# Altium PCB DIO_MCX_Isolated.PCBDOC (part 1 of 5) (continued)
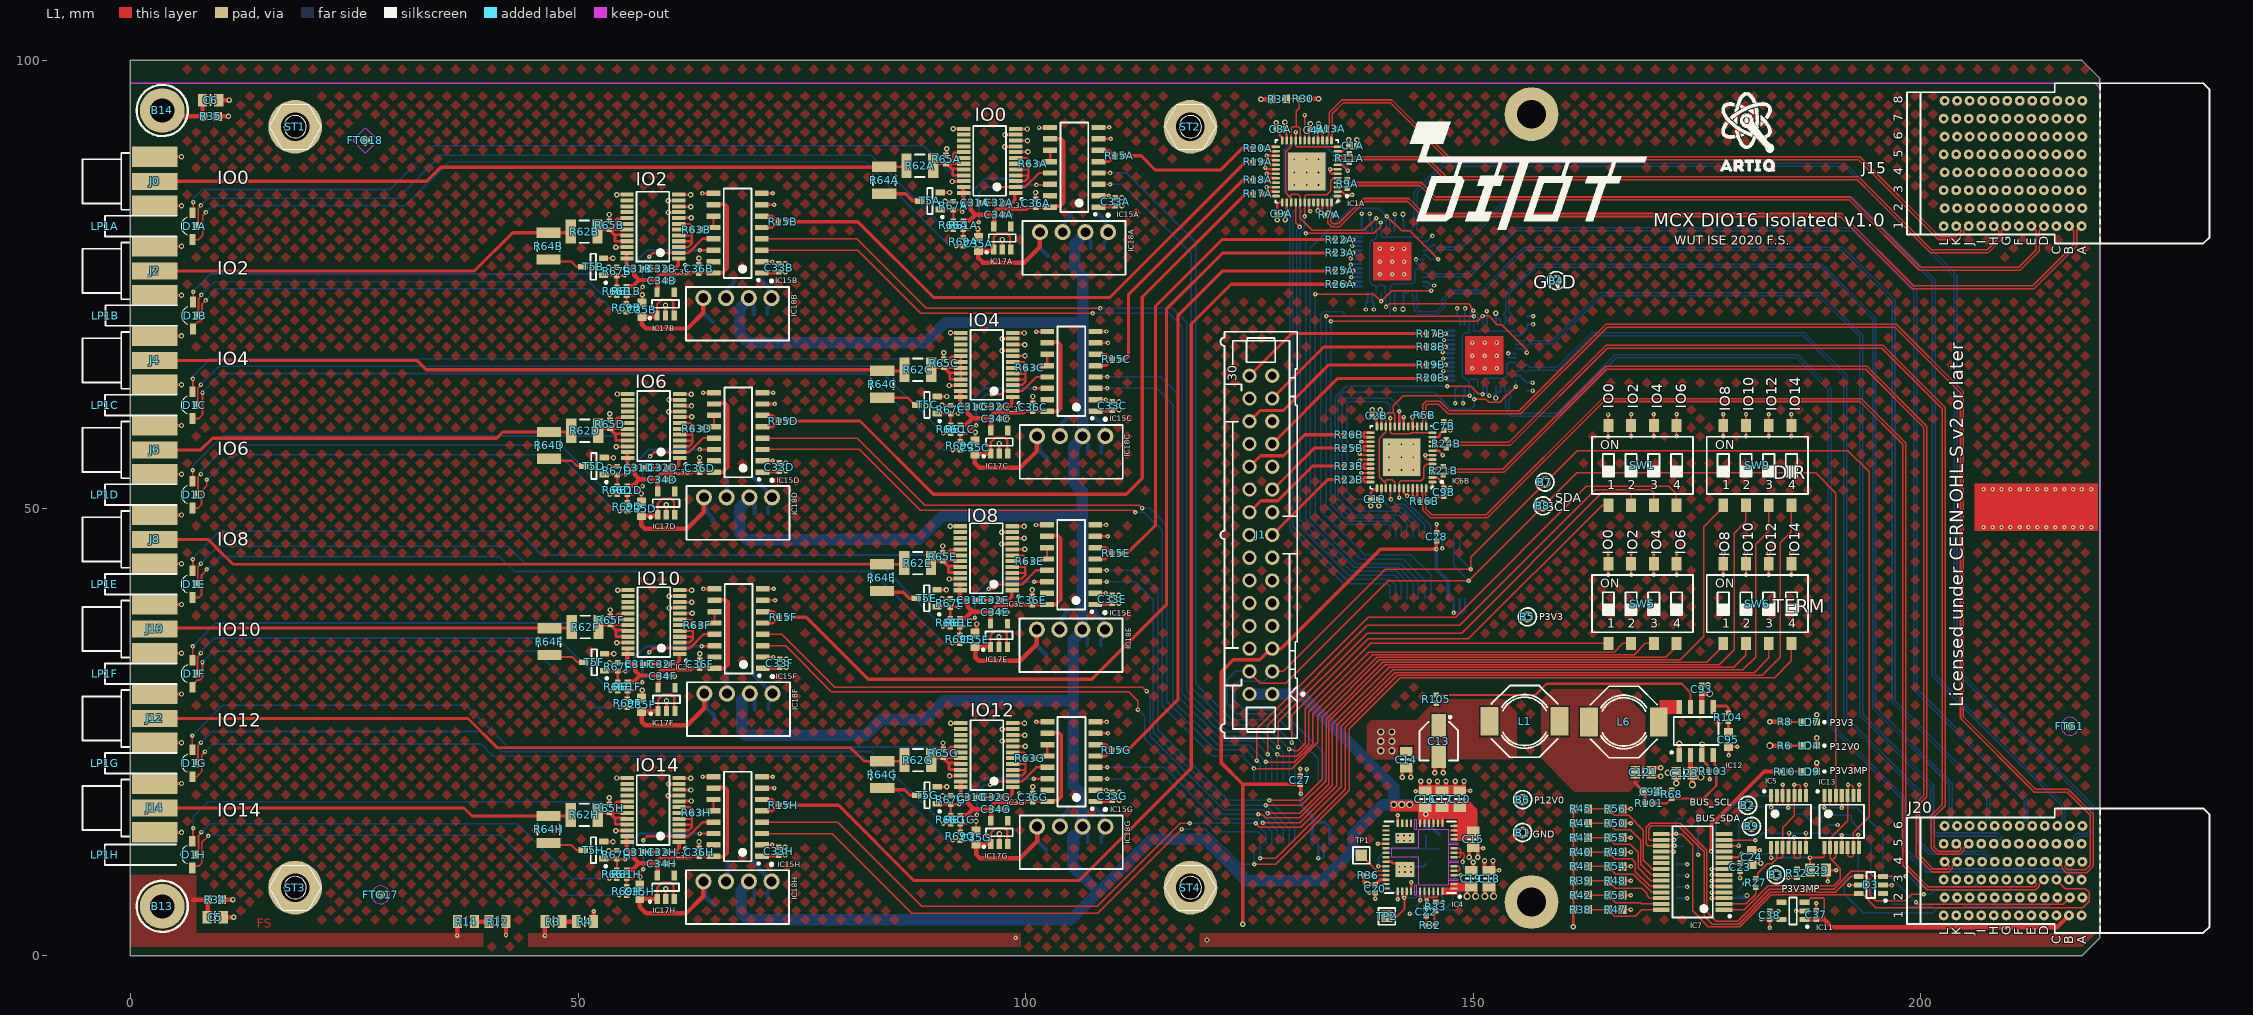
[diagram p0: L1 view]
## Classes and differential pairs (continued)
differential pair LVDS1B: +LVDS1B_P -LVDS1B_N
differential pair LVDS1A: +LVDS1A_P -LVDS1A_N

## Components (designator, comment, footprint, x,y, rotation, side; value= is the part's Value field where it differs from the comment)
B1 "Plated Hole" c130h60 155.518,13.76 r90 top
B2 "Plated Hole" c130h60 180.65,16.798 r180 top
B3 "Plated Hole" c130h60 183.825,9.049 r180 top
B4 "Plated Hole" c130h60 159.275,75.411 r180 top
B5 "Plated Hole" c130h60 156.05,37.85 r180 top
B6 "Plated Hole" c130h60 155.518,17.435 r0 top
B7 "Plated Hole" c130h60 158,52.9 r180 top
B8 "Plated Hole" c130h60 157.775,50.25 r180 top
B9 "Plated Hole" c130h60 181.075,14.45 r180 top
B13 "Plated Hole" MTG270_500 3.556,5.512 r180 top locked
B14 "Plated Hole" MTG270_500 3.556,94.412 r180 top locked
C1A "100nF" CAPC1005X55N 136.55,90.45 r180 top (schematic designator C1)
C1B "100nF" CAPC1005X55N 138.992,50.968 r180 top (schematic designator C1)
C2A "100nF" CAPC1005X55N 138,82.211 r180 bottom (schematic designator C2)
C2B "100nF" CAPC1005X55N 139.161,60.293 r180 top (schematic designator C2)
C3A "100nF" CAPC1005X55N 141.7,72.875 r0 bottom (schematic designator C3)
C3B "100nF" CAPC1005X55N 148.632,71.618 r180 bottom (schematic designator C3)
C4A "100nF" CAPC1005X55N 132.256,92.23 r0 top (schematic designator C4)
C4B "100nF" CAPC1005X55N 155.992,70.968 r270 bottom (schematic designator C4)
C5 "Undefined" CAPC2012X135N 9.45,4.3 r0 top
C6 "Undefined" CAPC2012X135N 8.951,95.575 r0 top
C7A "100nF" CAPC1005X55N 138.45,72.864 r180 bottom (schematic designator C7)
C7B "100nF" CAPC1005X55N 146.711,59.168 r270 top (schematic designator C7)
C8A "100nF" CAPC1005X55N 128.456,92.342 r180 top (schematic designator C8)
C8B "100nF" CAPC1005X55N 155.932,63.573 r90 bottom (schematic designator C8)
C9A "100nF" CAPC1005X55N 128.556,82.9 r180 top (schematic designator C9)
C9B "100nF" CAPC1005X55N 146.711,51.768 r90 top (schematic designator C9)
C10 "10uF" CAPC2012X135N 148.504,17.495 r270 top
C11A "100nF" CAPC1005X55N 141.7,82.15 r0 bottom (schematic designator C11)
C11B "100nF" CAPC1005X55N 148.407,62.4 r180 bottom (schematic designator C11)
C12 "100nF" CAPC1005X55N 179.675,6.95 r270 bottom
C13 "10uF" CAPAE430X540N 146.15,23.965 r270 top
C14 "22uF" CAPC2012X135N 142.5,21.915 r90 top
C15 "10uF" CAPC2012X135N 149.979,12.995 r90 top
C16 "10uF" CAPC2012X135N 144.633,17.495 r270 top
C17 "10uF" CAPC2012X135N 146.504,17.495 r270 top
C18 "10uF" CAPC2012X135N 151.754,8.62 r270 top
C19 "10uF" CAPC2012X135N 149.754,8.62 r270 top
C20 "100nF" CAPC1005X55N 139.054,7.495 r90 top
C21 "1nF" CAPC1608X87N 146.179,12.745 r90 bottom
C22 "100nF" CAPC1005X55N 144.758,4.9 r90 top
C23 "100nF" CAPC1005X55N 179.8,9.907 r90 top
C24 "22uF" CAPC1709X100N 181.1,10.982 r270 top
C25 "15pF" CAPC1005X55N 143.655,5.095 r90 bottom
C26A "100pF" CAPC3216X180N 103.975,78.175 r0 bottom (schematic designator C26)
C26B "100pF" CAPC3216X180N 66.525,70.786 r0 bottom (schematic designator C26)
C26C "100pF" CAPC3216X180N 103.9,55.226 r0 bottom (schematic designator C26)
C26D "100pF" CAPC3216X180N 66.57,48.504 r0 bottom (schematic designator C26)
C26E "100pF" CAPC3216X180N 103.775,33.625 r0 bottom (schematic designator C26)
C26F "100pF" CAPC3216X180N 66.71,26.49 r0 bottom (schematic designator C26)
C26G "100pF" CAPC3216X180N 103.793,11.848 r0 bottom (schematic designator C26)
C26H "100pF" CAPC3216X180N 66.713,5.639 r0 bottom (schematic designator C26)
C27 "100nF" CAPC1005X55N 130.675,19.6 r270 top
C28 "100nF" CAPC1005X55N 145.9,46.8 r270 top
C29 "1uF" CAPC2012X140N 188.499,9.55 r180 top
C30A "10uF" CAPC1608X80N 108.005,78.991 r180 bottom (schematic designator C30)
C30B "10uF" CAPC1608X80N 70.4,71.634 r180 bottom (schematic designator C30)
C30C "10uF" CAPC1608X80N 107.685,56.201 r180 bottom (schematic designator C30)
C30D "10uF" CAPC1608X80N 70.47,49.377 r180 bottom (schematic designator C30)
C30E "10uF" CAPC1608X80N 107.65,34.6 r180 bottom (schematic designator C30)
C30F "10uF" CAPC1608X80N 70.51,27.458 r180 bottom (schematic designator C30)
C30G "10uF" CAPC1608X80N 107.693,12.598 r180 bottom (schematic designator C30)
C30H "10uF" CAPC1608X80N 70.413,6.472 r180 bottom (schematic designator C30)
C31A "100nF" CAPC1005X55N 94.3,84.1 r180 top (schematic designator C31)
C31B "100nF" CAPC1005X55N 56.695,76.743 r180 top (schematic designator C31)
C31C "100nF" CAPC1005X55N 93.98,61.311 r180 top (schematic designator C31)
C31D "100nF" CAPC1005X55N 56.765,54.486 r180 top (schematic designator C31)
C31E "100nF" CAPC1005X55N 93.945,39.709 r180 top (schematic designator C31)
C31F "100nF" CAPC1005X55N 56.805,32.567 r180 top (schematic designator C31)
C31G "100nF" CAPC1005X55N 93.988,17.708 r180 top (schematic designator C31)
C31H "100nF" CAPC1005X55N 56.708,11.582 r180 top (schematic designator C31)
C32A "100nF" CAPC1005X55N 96.979,84.1 r0 top (schematic designator C32)
C32B "100nF" CAPC1005X55N 59.374,76.743 r0 top (schematic designator C32)
C32C "100nF" CAPC1005X55N 96.659,61.311 r0 top (schematic designator C32)
C32D "100nF" CAPC1005X55N 59.444,54.486 r0 top (schematic designator C32)
C32E "100nF" CAPC1005X55N 96.624,39.709 r0 top (schematic designator C32)
C32F "100nF" CAPC1005X55N 59.484,32.567 r0 top (schematic designator C32)
C32G "100nF" CAPC1005X55N 96.667,17.708 r0 top (schematic designator C32)
C32H "100nF" CAPC1005X55N 59.387,11.582 r0 top (schematic designator C32)
C33A "100nF" CAPC1005X55N 110,84.197 r270 top (schematic designator C33)
C33B "100nF" CAPC1005X55N 72.395,76.841 r270 top (schematic designator C33)
C33C "100nF" CAPC1005X55N 109.68,61.408 r270 top (schematic designator C33)
C33D "100nF" CAPC1005X55N 72.465,54.584 r270 top (schematic designator C33)
C33E "100nF" CAPC1005X55N 109.645,39.807 r270 top (schematic designator C33)
C33F "100nF" CAPC1005X55N 72.505,32.664 r270 top (schematic designator C33)
C33G "100nF" CAPC1005X55N 109.688,17.805 r270 top (schematic designator C33)
C33H "100nF" CAPC1005X55N 72.408,11.679 r270 top (schematic designator C33)
C34A "1uF" CAPC1005X55N 96.994,82.767 r180 top (schematic designator C34)
C34B "1uF" CAPC1005X55N 59.339,75.411 r180 top (schematic designator C34)
C34C "1uF" CAPC1005X55N 96.674,59.978 r180 top (schematic designator C34)
C34D "1uF" CAPC1005X55N 59.409,53.154 r180 top (schematic designator C34)
C34E "1uF" CAPC1005X55N 96.589,38.377 r180 top (schematic designator C34)
C34F "1uF" CAPC1005X55N 59.449,31.234 r180 top (schematic designator C34)
C34G "1uF" CAPC1005X55N 96.657,16.375 r180 top (schematic designator C34)
C34H "1uF" CAPC1005X55N 59.352,10.249 r180 top (schematic designator C34)
C35A "10uF" CAPC1608X80N 94.725,79.5 r270 top (schematic designator C35)
C35B "10uF" CAPC1608X80N 57.123,72.136 r270 top (schematic designator C35)
C35C "10uF" CAPC1608X80N 94.326,56.766 r270 top (schematic designator C35)
C35D "10uF" CAPC1608X80N 57.07,49.905 r270 top (schematic designator C35)
C35E "10uF" CAPC1608X80N 94.35,35.285 r270 top (schematic designator C35)
C35F "10uF" CAPC1608X80N 57.103,28.04 r270 top (schematic designator C35)
C35G "10uF" CAPC1608X80N 94.453,13.198 r270 top (schematic designator C35)
C35H "10uF" CAPC1608X80N 56.89,7.124 r270 top (schematic designator C35)
C36A "100nF" CAPC1005X55N 101.105,84.067 r270 top (schematic designator C36)
C36B "100nF" CAPC1005X55N 63.5,76.711 r270 top (schematic designator C36)
C36C "100nF" CAPC1005X55N 100.785,61.278 r270 top (schematic designator C36)
C36D "100nF" CAPC1005X55N 63.57,54.454 r270 top (schematic designator C36)
C36E "100nF" CAPC1005X55N 100.75,39.677 r270 top (schematic designator C36)
C36F "100nF" CAPC1005X55N 63.61,32.534 r270 top (schematic designator C36)
C36G "100nF" CAPC1005X55N 100.793,17.675 r270 top (schematic designator C36)
C36H "100nF" CAPC1005X55N 63.513,11.549 r270 top (schematic designator C36)
C37 "1uF" CAPC1005X55N 188.308,4.55 r270 top
C38 "1uF" CAPC1005X55N 183.108,4.5 r270 top
C39A "100pF" CAPC3216X180N 106.55,82.943 r0 bottom (schematic designator C39)
C39B "100pF" CAPC3216X180N 68.945,75.586 r0 bottom (schematic designator C39)
C39C "100pF" CAPC3216X180N 106.23,60.153 r0 bottom (schematic designator C39)
C39D "100pF" CAPC3216X180N 68.12,53.404 r0 bottom (schematic designator C39)
C39E "100pF" CAPC3216X180N 106.325,38.525 r0 bottom (schematic designator C39)
C39F "100pF" CAPC3216X180N 68.135,31.534 r0 bottom (schematic designator C39)
C39G "100pF" CAPC3216X180N 106.238,16.55 r0 bottom (schematic designator C39)
C39H "100pF" CAPC3216X180N 68.238,10.474 r0 bottom (schematic designator C39)
C93 "100nF" CAPC1005X55N 175.535,29.75 r270 top
C94 "150pF" CAPC1608X87N 169.8,18.325 r180 top
C95 "3.9nF" CAPC1608X87N 178.5,24.135 r90 top
C121 "22uF" CAPC2012X135N 168.975,20.475 r180 top
C123 "22uF" CAPC2012X135N 173.55,20.37 r0 top
D1A "Red & Green, 120deg" WL-SBSW_1204 6.411,81.5 r90 top locked (schematic designator D1)
D1B "Red & Green, 120deg" WL-SBSW_1204 6.467,71.508 r90 top locked (schematic designator D1)
D1C "Red & Green, 120deg" WL-SBSW_1204 6.411,61.5 r90 top locked (schematic designator D1)
D1D "Red & Green, 120deg" WL-SBSW_1204 6.411,51.5 r90 top locked (schematic designator D1)
D1E "Red & Green, 120deg" WL-SBSW_1204 6.411,41.5 r90 top locked (schematic designator D1)
D1F "Red & Green, 120deg" WL-SBSW_1204 6.411,31.5 r90 top locked (schematic designator D1)
D1G "Red & Green, 120deg" WL-SBSW_1204 6.411,21.5 r90 top locked (schematic designator D1)
D1H "Red & Green, 120deg" WL-SBSW_1204 6.386,11.286 r90 top (schematic designator D1)
D2 "PESD3V3S4UD" SOT95P280X110-6N 194.386,7.878 r180 bottom
D3 "PESD3V3S4UD" SOT95P280X110-6N 194.4,7.9 r180 top
FTG1 "Use only in PCB" FIDUCIAL_TOP_C100-200 216.65,25.624 r90 top
FTG2 "Use only in PCB" FIDUCIAL_TOP_C100-200 216.65,25.624 r90 bottom
FTG17 "Use only in PCB" FIDUCIAL_TOP_C100-200 27.95,6.8 r270 top
FTG18 "Use only in PCB" FIDUCIAL_TOP_S100-200 26.25,91.061 r270 top
FTG19 "Use only in PCB" FIDUCIAL_TOP_S100-200 27.95,6.8 r90 bottom
FTG20 "Use only in PCB" FIDUCIAL_TOP_S100-200 26.25,91.061 r270 bottom
IC1A "SN65MLVD040RGZT" QFN50P700X700X100-49N-S420 131.406,87.6 r180 top (schematic designator IC1)
IC1B "SN65MLVD040RGZT" QFN50P700X700X100-49N-S420 151.282,67.023 r180 bottom (schematic designator IC1)
IC2 "24AA025E48-I/SN" SOIC127P600X175-8N 175.405,8.32 r0 bottom
IC3A "SN74LVC8T245PW" SOP65P640X120-24N 95.97,88.786 r180 top (schematic designator IC3)
IC3B "SN74LVC8T245PW" SOP65P640X120-24N 58.365,81.429 r180 top (schematic designator IC3)
IC3C "SN74LVC8T245PW" SOP65P640X120-24N 95.65,65.997 r180 top (schematic designator IC3)
IC3D "SN74LVC8T245PW" SOP65P640X120-24N 58.435,59.172 r180 top (schematic designator IC3)
IC3E "SN74LVC8T245PW" SOP65P640X120-24N 95.615,44.396 r180 top (schematic designator IC3)
IC3F "SN74LVC8T245PW" SOP65P640X120-24N 58.475,37.253 r180 top (schematic designator IC3)
IC3G "SN74LVC8T245PW" SOP65P640X120-24N 95.658,22.394 r180 top (schematic designator IC3)
IC3H "SN74LVC8T245PW" SOP65P640X120-24N 58.378,16.268 r180 top (schematic designator IC3)
IC4 "MIC45116-1YMP" MICROCHIP_H3QFN88-52LD-PL-3 144.054,10.995 r180 top
IC5 "74HC4066PW" SOP65P640X110-14N 185.205,15 r270 top
IC6A "SN65MLVD040RGZT" QFN50P700X700X100-49N-S420 140.95,77.525 r180 bottom (schematic designator IC6)
IC6B "SN65MLVD040RGZT" QFN50P700X700X100-49N-S420 141.986,55.668 r180 top (schematic designator IC6)
IC7 "MCP23017-E/SS" SOP65P780X200-28N 174.5,9.357 r180 top
IC8 "MCP23017-E/SS" SOP65P780X200-28N 144.9,43.325 r270 bottom
IC10 "MCP23017-E/SS" SOP65P780X200-28N 129.75,15.975 r270 bottom
IC11 "AP2112K-3.3TRG1" SOT95P285X140-5N 185.708,5 r180 top
IC12 "NCP3170ADR2G" SOIC127P600X175-8N 174.9,25.1 r90 top
IC13 "74HC4066PW" SOP65P640X110-14N 191.155,15 r270 top
IC15A "SI8651BB-B-IS1" SOIC127P600X175-16N 105.43,88.067 r180 top (schematic designator IC15)
IC15B "SI8651BB-B-IS1" SOIC127P600X175-16N 67.825,80.711 r180 top (schematic designator IC15)
IC15C "SI8651BB-B-IS1" SOIC127P600X175-16N 105.11,65.278 r180 top (schematic designator IC15)
IC15D "SI8651BB-B-IS1" SOIC127P600X175-16N 67.895,58.454 r180 top (schematic designator IC15)
IC15E "SI8651BB-B-IS1" SOIC127P600X175-16N 105.075,43.677 r180 top (schematic designator IC15)
IC15F "SI8651BB-B-IS1" SOIC127P600X175-16N 67.935,36.534 r180 top (schematic designator IC15)
IC15G "SI8651BB-B-IS1" SOIC127P600X175-16N 105.118,21.675 r180 top (schematic designator IC15)
IC15H "SI8651BB-B-IS1" SOIC127P600X175-16N 67.838,15.549 r180 top (schematic designator IC15)
IC17A "AP2112K-3.3TRG1" SOT95P285X140-5N 97.379,80.167 r90 top (schematic designator IC17)
IC17B "AP2112K-3.3TRG1" SOT95P285X140-5N 59.774,72.811 r90 top (schematic designator IC17)
IC17C "AP2112K-3.3TRG1" SOT95P285X140-5N 97.059,57.378 r90 top (schematic designator IC17)
IC17D "AP2112K-3.3TRG1" SOT95P285X140-5N 59.844,50.554 r90 top (schematic designator IC17)
IC17E "AP2112K-3.3TRG1" SOT95P285X140-5N 97.024,35.777 r90 top (schematic designator IC17)
IC17F "AP2112K-3.3TRG1" SOT95P285X140-5N 59.884,28.634 r90 top (schematic designator IC17)
IC17G "AP2112K-3.3TRG1" SOT95P285X140-5N 97.067,13.775 r90 top (schematic designator IC17)
IC17H "AP2112K-3.3TRG1" SOT95P285X140-5N 59.787,7.649 r90 top (schematic designator IC17)
IC18A "RFM-0505S" DCDC_RECOM_RFM 105.405,80.817 r180 top (schematic designator IC18)
IC18B "RFM-0505S" DCDC_RECOM_RFM 67.8,73.461 r180 top (schematic designator IC18)
IC18C "RFM-0505S" DCDC_RECOM_RFM 105.085,58.028 r180 top (schematic designator IC18)
IC18D "RFM-0505S" DCDC_RECOM_RFM 67.87,51.204 r180 top (schematic designator IC18)
IC18E "RFM-0505S" DCDC_RECOM_RFM 105.05,36.427 r180 top (schematic designator IC18)
IC18F "RFM-0505S" DCDC_RECOM_RFM 67.91,29.284 r180 top (schematic designator IC18)
IC18G "RFM-0505S" DCDC_RECOM_RFM 105.093,14.425 r180 top (schematic designator IC18)
IC18H "RFM-0505S" DCDC_RECOM_RFM 67.813,8.299 r180 top (schematic designator IC18)
J0 "MCX" BEL_133-3701-801 0,86.5 r0 top locked
J1 "=Familly" 3M_N2530-6002RB 126.27,47 r90 top
J2 "MCX" BEL_133-3701-801 0,76.5 r0 top locked
J4 "MCX" BEL_133-3701-801 0,66.5 r0 top locked
J6 "MCX" BEL_133-3701-801 0,56.5 r0 top locked
J8 "MCX" BEL_133-3701-801 0,46.5 r0 top locked
J10 "MCX" BEL_133-3701-801 0,36.5 r0 top locked
J12 "MCX" BEL_133-3701-801 0,26.5 r0 top locked
J14 "MCX" BEL_133-3701-801 0,16.5 r0 top locked
J15 "AirMax VS" AMPHENOL_10052838-101LF 210.289,88.5 r90 top locked
J20 "AirMax VS" AMPHENOL_10052825-101LF 210.289,9.5 r90 top locked
L1 "4.7uH" IND_BOURNS_SRU8043 155.725,26.175 r180 top
L6 "4.7uH" IND_BOURNS_SRU8043 166.813,26.109 r180 top
LD4 "Green" LED_KINGBRIGHT_KPH-1608CGCK 187.525,23.462 r180 top
LD7 "Green" LED_KINGBRIGHT_KPH-1608CGCK 187.525,26.097 r180 top
LD9 "Green" LED_KINGBRIGHT_KPH-1608CGCK 187.525,20.575 r180 top
LP1A "Color" FIX&FASTEN-LEMB2-8V0-F -2.85,81.5 r0 top (schematic designator LP1)
LP1B "Color" FIX&FASTEN-LEMB2-8V0-F -2.794,71.508 r0 top (schematic designator LP1)
LP1C "Color" FIX&FASTEN-LEMB2-8V0-F -2.85,61.5 r0 top (schematic designator LP1)
LP1D "Color" FIX&FASTEN-LEMB2-8V0-F -2.85,51.5 r0 top (schematic designator LP1)
LP1E "Color" FIX&FASTEN-LEMB2-8V0-F -2.85,41.5 r0 top (schematic designator LP1)
LP1F "Color" FIX&FASTEN-LEMB2-8V0-F -2.85,31.5 r0 top (schematic designator LP1)
LP1G "Color" FIX&FASTEN-LEMB2-8V0-F -2.85,21.5 r0 top (schematic designator LP1)
LP1H "Color" FIX&FASTEN-LEMB2-8V0-F -2.875,11.286 r0 top (schematic designator LP1)
R1 "6k8" RESC1005X40N 144.705,13.895 r90 bottom
R2 "1k3" RESC1608X55N 144.705,11.024 r90 bottom
R3 "4M7" RESC2113X55N 47.25,3.798 r0 top
R4 "4M7" RESC2113X55N 50.75,3.798 r0 top
R5A "100" RESC1005X40N 143.556,72.864 r180 bottom (schematic designator R5)
R5B "100" RESC1005X40N 144.526,60.368 r180 top (schematic designator R5)
R6 "10k" RESC1005X40N 184.8,23.462 r180 top
R7A "100" RESC1005X40N 133.912,82.767 r0 top (schematic designator R7)
R7B "100" RESC1005X40N 153.8,71.618 r0 bottom (schematic designator R7)
R8 "1k" RESC1005X40N 184.806,26.122 r0 top
R9A "100" RESC1005X40N 135.9,86.2 r90 top (schematic designator R9)
R9B "100" RESC1005X40N 156.007,68.518 r270 bottom (schematic designator R9)
R10 "1k" RESC1005X40N 184.8,20.575 r0 top
R11A "100" RESC1005X40N 136.156,89.1 r90 top (schematic designator R11)
R11B "100" RESC1005X40N 155.932,65.568 r270 bottom (schematic designator R11)
R12 "4M7" RESC2113X55N 41,3.798 r180 top
R13A "100" RESC1005X40N 134.077,92.35 r180 top (schematic designator R13)
R13B "100" RESC1005X40N 153.792,62.4 r180 bottom (schematic designator R13)
R14 "4M7" RESC2113X55N 37.5,3.798 r180 top
R15A "33" RESC1005X40N 110.43,89.35 r0 top (schematic designator R15)
R15B "33" RESC1005X40N 72.855,81.981 r0 top (schematic designator R15)
R15C "33" RESC1005X40N 110.14,66.6 r0 top (schematic designator R15)
R15D "33" RESC1005X40N 72.9,59.724 r0 top (schematic designator R15)
R15E "33" RESC1005X40N 110.1,44.947 r0 top (schematic designator R15)
R15F "33" RESC1005X40N 72.925,37.8 r0 top (schematic designator R15)
R15G "33" RESC1005X40N 110.1,22.946 r0 top (schematic designator R15)
R15H "33" RESC1005X40N 72.9,16.8 r0 top (schematic designator R15)
R16A "100" RESC1005X40N 143.556,82.2 r0 bottom (schematic designator R16)
R16B "100" RESC1005X40N 144.526,50.788 r0 top (schematic designator R16)
R17A "33" RESC1005X40N 125.9,85.1 r0 top (schematic designator R17)
R17B "33" RESC1005X40N 145.25,69.494 r0 top (schematic designator R17)
R18A "33" RESC1005X40N 125.9,86.67 r0 top (schematic designator R18)
R18B "33" RESC1005X40N 145.25,68.048 r0 top (schematic designator R18)
R19A "33" RESC1005X40N 125.9,88.702 r0 top (schematic designator R19)
R19B "33" RESC1005X40N 145.25,65.994 r0 top (schematic designator R19)
R20A "33" RESC1005X40N 125.9,90.2 r0 top (schematic designator R20)
R20B "33" RESC1005X40N 145.25,64.551 r0 top (schematic designator R20)
R21A "100" RESC1005X40N 145.575,79 r270 bottom (schematic designator R21)
R21B "100" RESC1005X40N 146.636,54.168 r90 top (schematic designator R21)
R22A "33" RESC1005X40N 135.059,79.996 r0 top (schematic designator R22)
R22B "33" RESC1005X40N 136.075,53.175 r0 top (schematic designator R22)
R23A "33" RESC1005X40N 135.059,78.496 r0 top (schematic designator R23)
R23B "33" RESC1005X40N 136.075,54.7 r0 top (schematic designator R23)
R24A "100" RESC1005X40N 145.575,76 r270 bottom (schematic designator R24)
R24B "100" RESC1005X40N 146.992,57.168 r90 top (schematic designator R24)
R25A "33" RESC1005X40N 135.059,76.505 r0 top (schematic designator R25)
R25B "33" RESC1005X40N 136.075,56.7 r0 top (schematic designator R25)
R26A "33" RESC1005X40N 135.059,75 r0 top (schematic designator R26)
R26B "33" RESC1005X40N 136.075,58.197 r0 top (schematic designator R26)
R27 "0" RESC1005X40N 181.525,8.125 r90 top
R28 "22" RESC1005X40N 196.3,5.775 r0 bottom
R30 "10k" RESC1005X40N 131.019,95.725 r0 top
R31 "0" RESC1608X55N 128.275,95.675 r180 top
R32 "10k" RESC1005X40N 145.2,3.4 r180 top
R33 "10k" RESC1005X40N 145.793,5.495 r270 top
R34 "0" RESC1608X55N 9.45,6.268 r180 top
R35 "0" RESC1608X55N 8.951,93.755 r180 top
R36 "1k6" RESC1005X40N 138.255,8.97 r180 top
R37 "1k6" RESC1005X40N 144.758,5.095 r90 bottom
R38 "2k" RESC1608X55N 162,5.15 r180 top
R39 "2k" RESC1608X55N 162,8.364 r180 top
R40 "2k" RESC1608X55N 162,11.579 r180 top
R41 "2k" RESC1608X55N 162,14.793 r180 top
R42 "2k" RESC1608X55N 162,6.757 r180 top
R43 "2k" RESC1608X55N 162,9.971 r180 top
R44 "2k" RESC1608X55N 162,13.186 r180 top
R45 "2k" RESC1608X55N 162,16.4 r180 top
R46 "2k" RESC1608X55N 192.2,16.525 r270 bottom
R47 "2k" RESC1608X55N 165.849,5.15 r180 top
R48 "2k" RESC1608X55N 165.849,8.364 r180 top
R49 "2k" RESC1608X55N 165.849,11.579 r180 top
R50 "2k" RESC1608X55N 165.849,14.793 r180 top
R51 "220" RESC1608X55N 188.9,14.6 r180 bottom
R52 "0" RESC1005X40N 186.155,9.195 r90 top
R53 "2k" RESC1608X55N 165.849,6.757 r180 top
R54 "2k" RESC1608X55N 165.849,9.971 r180 top
R55 "2k" RESC1608X55N 165.849,13.186 r180 top
R56 "2k" RESC1608X55N 165.849,16.4 r180 top
R57 "2k" RESC1608X55N 174.3,12.205 r0 bottom
R58 "2k" RESC1608X55N 174.3,15.314 r0 bottom
R59 "2k" RESC1608X55N 174.3,13.755 r0 bottom
R60 "2k" RESC1608X55N 186.133,16.6 r270 bottom
R61A "10k" RESC1005X40N 93.015,81.6 r90 top (schematic designator R61)
R61B "10k" RESC1005X40N 55.41,74.243 r90 top (schematic designator R61)
R61C "10k" RESC1005X40N 92.695,58.811 r90 top (schematic designator R61)
R61D "10k" RESC1005X40N 55.48,51.986 r90 top (schematic designator R61)
R61E "10k" RESC1005X40N 92.66,37.209 r90 top (schematic designator R61)
R61F "10k" RESC1005X40N 55.52,30.067 r90 top (schematic designator R61)
R61G "10k" RESC1005X40N 92.703,15.208 r90 top (schematic designator R61)
R61H "10k" RESC1005X40N 55.423,9.082 r90 top (schematic designator R61)
R62A "30R" RESC3225X70N 88.18,88.245 r0 top (schematic designator R62)
R62B "30R" RESC3225X70N 50.675,80.888 r0 top (schematic designator R62)
R62C "30R" RESC3225X70N 87.96,65.455 r0 top (schematic designator R62)
R62D "30R" RESC3225X70N 50.745,58.631 r0 top (schematic designator R62)
R62E "30R" RESC3225X70N 87.925,43.854 r0 top (schematic designator R62)
R62F "30R" RESC3225X70N 50.785,36.711 r0 top (schematic designator R62)
R62G "30R" RESC3225X70N 87.968,21.852 r0 top (schematic designator R62)
R62H "30R" RESC3225X70N 50.688,15.726 r0 top (schematic designator R62)
R63A "22" RESC1005X40N 100.785,88.472 r0 top (schematic designator R63)
R63B "22" RESC1005X40N 63.18,81.116 r0 top (schematic designator R63)
R63C "22" RESC1005X40N 100.464,65.683 r0 top (schematic designator R63)
R63D "22" RESC1005X40N 63.25,58.859 r0 top (schematic designator R63)
R63E "22" RESC1005X40N 100.43,44.082 r0 top (schematic designator R63)
R63F "22" RESC1005X40N 63.29,36.939 r0 top (schematic designator R63)
R63G "22" RESC1005X40N 100.473,22.08 r0 top (schematic designator R63)
R63H "22" RESC1005X40N 63.193,15.954 r0 top (schematic designator R63)
R64A "49R9" RESC3225X70N 84.199,86.618 r90 top (schematic designator R64)
R64B "49R9" RESC3225X70N 46.694,79.261 r90 top (schematic designator R64)
R64C "49R9" RESC3225X70N 83.979,63.829 r90 top (schematic designator R64)
R64D "49R9" RESC3225X70N 46.764,57.004 r90 top (schematic designator R64)
R64E "49R9" RESC3225X70N 83.944,42.228 r90 top (schematic designator R64)
R64F "49R9" RESC3225X70N 46.804,35.085 r90 top (schematic designator R64)
R64G "49R9" RESC3225X70N 83.987,20.226 r90 top (schematic designator R64)
R64H "49R9" RESC3225X70N 46.707,14.1 r90 top (schematic designator R64)
R65A "10k" RESC1005X40N 91.1,88.942 r270 top (schematic designator R65)
R65B "10k" RESC1005X40N 53.495,81.586 r270 top (schematic designator R65)
R65C "10k" RESC1005X40N 90.855,66.178 r270 top (schematic designator R65)
R65D "10k" RESC1005X40N 53.565,59.379 r270 top (schematic designator R65)
R65E "10k" RESC1005X40N 90.72,44.577 r270 top (schematic designator R65)
R65F "10k" RESC1005X40N 53.605,37.459 r270 top (schematic designator R65)
R65G "10k" RESC1005X40N 90.788,22.6 r270 top (schematic designator R65)
R65H "10k" RESC1005X40N 53.508,16.474 r270 top (schematic designator R65)
R66A "1k" RESC1005X40N 91.93,81.598 r270 top (schematic designator R66)
R66B "1k" RESC1005X40N 54.325,74.241 r270 top (schematic designator R66)
R66C "1k" RESC1005X40N 91.61,58.808 r270 top (schematic designator R66)
R66D "1k" RESC1005X40N 54.395,51.984 r270 top (schematic designator R66)
R66E "1k" RESC1005X40N 91.575,37.207 r270 top (schematic designator R66)
R66F "1k" RESC1005X40N 54.435,30.064 r270 top (schematic designator R66)
R66G "1k" RESC1005X40N 91.618,15.205 r270 top (schematic designator R66)
R66H "1k" RESC1005X40N 54.338,9.079 r270 top (schematic designator R66)
R67A "10k" RESC1005X40N 91.93,83.787 r270 top (schematic designator R67)
R67B "10k" RESC1005X40N 54.325,76.431 r270 top (schematic designator R67)
R67C "10k" RESC1005X40N 91.61,60.998 r270 top (schematic designator R67)
R67D "10k" RESC1005X40N 54.395,54.174 r270 top (schematic designator R67)
R67E "10k" RESC1005X40N 91.575,39.397 r270 top (schematic designator R67)
R67F "10k" RESC1005X40N 54.435,32.254 r270 top (schematic designator R67)
R67G "10k" RESC1005X40N 91.618,17.395 r270 top (schematic designator R67)
R67H "10k" RESC1005X40N 54.338,11.269 r270 top (schematic designator R67)
R68 "1k" RESC1005X40N 172.145,18.025 r90 top
R69A "1k" RESC1005X40N 93.006,79.741 r270 top (schematic designator R69)
R69B "1k" RESC1005X40N 55.401,72.384 r270 top (schematic designator R69)
R69C "1k" RESC1005X40N 92.686,56.951 r270 top (schematic designator R69)
R69D "1k" RESC1005X40N 55.471,50.127 r270 top (schematic designator R69)
R69E "1k" RESC1005X40N 92.651,35.35 r270 top (schematic designator R69)
R69F "1k" RESC1005X40N 55.511,28.208 r270 top (schematic designator R69)
R69G "1k" RESC1005X40N 92.694,13.348 r270 top (schematic designator R69)
R69H "1k" RESC1005X40N 55.414,7.222 r270 top (schematic designator R69)
R101 "27k" RESC1005X40N 169.675,17.025 r180 top
R103 "8k2" RESC1005X40N 176.8,20.625 r180 top
R104 "10k" RESC1005X40N 178.5,26.625 r90 top
R105 "10k" RESC1005X40N 145.85,28.662 r270 top
SCREW1 "M3x6" BOSSARD_BN5687-3061605_v 18.4,92.6 r180 bottom
SCREW2 "M3x6" BOSSARD_BN5687-3061605_v 118.4,92.6 r180 bottom
SCREW3 "M3x6" BOSSARD_BN5687-3061605_v 18.4,7.6 r180 bottom
SCREW4 "M3x6" BOSSARD_BN5687-3061605_v 118.4,7.6 r180 bottom
ST1 "M3x10" HARWIN_R25-1001002 18.4,92.6 r0 top
ST2 "M3x10" HARWIN_R25-1001002 118.4,92.6 r0 top
ST3 "M3x10" HARWIN_R25-1001002 18.4,7.6 r0 top
ST4 "M3x10" HARWIN_R25-1001002 118.4,7.6 r0 top
SW1 "Switch" SW_OMRON_A6S-4102-H 168.895,54.777 r90 top
SW5 "Switch" SW_OMRON_A6S-4102-H 168.895,39.327 r90 top
SW6 "Switch" SW_OMRON_A6S-4102-H 181.73,39.327 r90 top
SW9 "Switch" SW_OMRON_A6S-4102-H 181.73,54.777 r90 top
T5A "BSS138LT1G" SOT95P240X110-3N 89.3,84.311 r180 top (schematic designator T5)
T5B "BSS138LT1G" SOT95P240X110-3N 51.695,76.954 r180 top (schematic designator T5)
T5C "BSS138LT1G" SOT95P240X110-3N 88.98,61.521 r180 top (schematic designator T5)
T5D "BSS138LT1G" SOT95P240X110-3N 51.765,54.697 r180 top (schematic designator T5)
T5E "BSS138LT1G" SOT95P240X110-3N 88.945,39.92 r180 top (schematic designator T5)
T5F "BSS138LT1G" SOT95P240X110-3N 51.805,32.778 r180 top (schematic designator T5)
T5G "BSS138LT1G" SOT95P240X110-3N 88.988,17.918 r180 top (schematic designator T5)
T5H "BSS138LT1G" SOT95P240X110-3N 51.708,11.792 r180 top (schematic designator T5)
TP1 "Test Point" TPS127 137.5,11.2 r180 top
TP2 "Test Point" TPS127 140.356,4.4 r180 top

## Footprints (in the part's own frame and the unit in brackets; to place one, negate y for a bottom-side part, rotate by r counter-clockwise, add the part's x,y. Pads: shape width x height; smd on the part's side, far side on the other; paste and mask are expansions set on the pad)
3M_N2530-6002RB [mm] "30 Contacts - Straight .100\" x .100\" Low Profile Four-Wall Header"
  round 1.6 hole 1: 1(-17.78,-1.27) 2(-17.78,1.27) 3(-15.24,-1.27) 4(-15.24,1.27) 5(-12.7,-1.27) 6(-12.7,1.27) 7(-10.16,-1.27) 8(-10.16,1.27) 9(-7.62,-1.27) 10(-7.62,1.27) 11(-5.08,-1.27) 12(-5.08,1.27) 13(-2.54,-1.27) 14(-2.54,1.27) 15(0,-1.27) 16(0,1.27) 17(2.54,-1.27) 18(2.54,1.27) 19(5.08,-1.27) 20(5.08,1.27) 21(7.62,-1.27) 22(7.62,1.27) 23(10.16,-1.27) 24(10.16,1.27) 25(12.7,-1.27) 26(12.7,1.27) 27(15.24,-1.27) 28(15.24,1.27) 29(17.78,-1.27) 30(17.78,1.27)
  silkscreen extent -22.71,-4.85 22.71,4.52, body extent -22.71,-4.11 22.71,4.52, height 9.91
AMPHENOL_10052825-101LF [mm] "72 Contacts, 2mm Pitch, 6 Columns, 4 Pairs per Column, 4 Walls, Right Angle Header"
  round 1.1 hole 0.5: A1(-5,-7.65) A2(-3,-7.75) A3(-1,-7.65) A4(1,-7.75) A5(3,-7.65) A6(5,-7.75) B1(-5,-6.25) B2(-3,-6.35) B3(-1,-6.25) B4(1,-6.35) B5(3,-6.25) B6(5,-6.35) C1(-5,-4.85) C2(-3,-4.95) C3(-1,-4.85) C4(1,-4.95) C5(3,-4.85) C6(5,-4.95) D1(-5,-3.45) D2(-3,-3.55) D3(-1,-3.45) D4(1,-3.55) D5(3,-3.45) D6(5,-3.55) E1(-5,-2.05) E2(-3,-2.15) E3(-1,-2.05) E4(1,-2.15) E5(3,-2.05) E6(5,-2.15) F1(-5,-0.65) F2(-3,-0.75) F3(-1,-0.65) F4(1,-0.75) F5(3,-0.65) F6(5,-0.75) G1(-5,0.75) G2(-3,0.65) G3(-1,0.75) G4(1,0.65) G5(3,0.75) G6(5,0.65) H1(-5,2.15) H2(-3,2.05) H3(-1,2.15) H4(1,2.05) H5(3,2.15) H6(5,2.05) I1(-5,3.55) I2(-3,3.45) I3(-1,3.55) I4(1,3.45) I5(3,3.55) I6(5,3.45) J1(-5,4.95) J2(-3,4.85) J3(-1,4.95) J4(1,4.85) J5(3,4.95) J6(5,4.85) K1(-5,6.35) K2(-3,6.25) K3(-1,6.35) K4(1,6.25) K5(3,6.35) K6(5,6.25) L1(-5,7.75) L2(-3,7.65) L3(-1,7.75) L4(1,7.65) L5(3,7.75) L6(5,7.65)
  silkscreen extent -6.95,-21.95 6.95,11.85, body extent -6.95,-21.95 6.95,11.85, height 15.25
AMPHENOL_10052838-101LF [mm] "96 Contacts, 2mm Pitch, 8 Columns, 4 Pairs per Column, 4 Walls, Right Angle Header"
  round 1.1 hole 0.5: A1(-7,-7.65) A2(-5,-7.75) A3(-3,-7.65) A4(-1,-7.75) A5(1,-7.65) A6(3,-7.75) A7(5,-7.65) A8(7,-7.75) B1(-7,-6.25) B2(-5,-6.35) B3(-3,-6.25) B4(-1,-6.35) B5(1,-6.25) B6(3,-6.35) B7(5,-6.25) B8(7,-6.35) C1(-7,-4.85) C2(-5,-4.95) C3(-3,-4.85) C4(-1,-4.95) C5(1,-4.85) C6(3,-4.95) C7(5,-4.85) C8(7,-4.95) D1(-7,-3.45) D2(-5,-3.55) D3(-3,-3.45) D4(-1,-3.55) D5(1,-3.45) D6(3,-3.55) D7(5,-3.45) D8(7,-3.55) E1(-7,-2.05) E2(-5,-2.15) E3(-3,-2.05) E4(-1,-2.15) E5(1,-2.05) E6(3,-2.15) E7(5,-2.05) E8(7,-2.15) F1(-7,-0.65) F2(-5,-0.75) F3(-3,-0.65) F4(-1,-0.75) F5(1,-0.65) F6(3,-0.75) F7(5,-0.65) F8(7,-0.75) G1(-7,0.75) G2(-5,0.65) G3(-3,0.75) G4(-1,0.65) G5(1,0.75) G6(3,0.65) G7(5,0.75) G8(7,0.65) H1(-7,2.15) H2(-5,2.05) H3(-3,2.15) H4(-1,2.05) H5(1,2.15) H6(3,2.05) H7(5,2.15) H8(7,2.05) I1(-7,3.55) I2(-5,3.45) I3(-3,3.55) I4(-1,3.45) I5(1,3.55) I6(3,3.45) I7(5,3.55) I8(7,3.45) J1(-7,4.95) J2(-5,4.85) J3(-3,4.95) J4(-1,4.85) J5(1,4.95) J6(3,4.85) J7(5,4.95) J8(7,4.85) K1(-7,6.35) K2(-5,6.25) K3(-3,6.35) K4(-1,6.25) K5(1,6.35) K6(3,6.25) K7(5,6.35) K8(7,6.25) L1(-7,7.75) L2(-5,7.65) L3(-3,7.75) L4(-1,7.65) L5(1,7.75) L6(3,7.65) L7(5,7.75) L8(7,7.65)
  silkscreen extent -8.95,-21.95 8.95,11.85, body extent -8.95,-21.95 8.95,11.85, height 15.25
BEL_133-3701-801 [mil] "MCX Jack, End Launch Straight Receptacle - Tab Contact, For 1.6mm Thickness Board"
  rect 200x75 smd: 1(107.88,0)
  rect 200x90 smd: 2(107.88,-107.5) 2(107.88,107.5)
  rect 200x90 smd far side: 2(107.88,-107.5) 2(107.88,107.5)
  silkscreen extent -211,-125 -6,125, body extent -211,-125 125,125, height 134
BOSSARD_BN5687-3061605_v [mm] "M3 L=6mm Hexalobular Socket Pan Head Screw, Fully Threaded - Stainless Steel A2"
  silkscreen extent -4,-4 4,4, body extent -2.8,-2.8 2.8,2.8, height 2.4
c130h60 [mm] "Plated Through Hole: Hole Dia.=0.6mm Pad Dia.=1.30mm"
  round 1.3 hole 0.6: 1(0,0)
  silkscreen extent -1,-1 1,1
CAPAE430X540N [mm] "Capacitor, Aluminium Electrolytric, 4.3mm L X 4.3mm W X 5.4mm H, IPC Medium Density"
  rect 2.55x1.6 smd: 1(-1.75,0) 2(1.75,0)
  silkscreen extent -2.8,-2.15 2.15,2.15, body extent -2.75,-2.25 2.75,2.25, height 5.7
CAPC1005X55N [mm] "Capacitor, Non-Polarized, Chip; 1.00mm L X 0.50mm W X 0.70mm H, IPC Medium Density"
  rect 0.62x0.62 smd: 1(-0.45,0) 2(0.45,0)
  body extent -0.52,-0.27 0.53,0.28, height 0.55
CAPC1608X80N [mm] "Chip Capacitor, Body 1.6x0.8mm IPC Medium Density"
  rect 1x1 smd: 1(-0.75,0) 2(0.75,0)
  body extent -0.87,-0.47 0.88,0.48, height 0.8
CAPC1608X87N [mm] "Chip Capacitor, Body 1.6x0.8mm IPC Medium Density"
  rect 0.95x1 smd: 1(-0.8,0) 2(0.8,0)
  body extent -0.87,-0.47 0.88,0.48, height 0.87
CAPC1709X100N [mm] "Capacitor,non-Polarized, Chip;1.65mm L X 0.85mm W X 1.00mm H, IPC Medium Density"
  rect 0.95x1.05 smd: 1(-0.8,0) 2(0.8,0)
  body extent -0.9,-0.5 0.9,0.5, height 1
CAPC2012X135N [mm] "Chip Capacitor, Body 2.0x1.25mm, IPC Medium Density"
  rect 1.05x1.4 smd: 1(-0.9,0) 2(0.9,0)
  silkscreen extent 0,-0.58 0,0.58, body extent -1.05,-0.67 1.05,0.68, height 1.25
CAPC2012X140N [mm] "Chip Capacitor, Body 2.0x1.25mm, IPC Medium Density"
  rect 1.15x1.45 smd: 1(-0.9,0) 2(0.9,0)
  silkscreen extent 0,-0.57 0,0.58, body extent -1.05,-0.68 1.05,0.67, height 1.3
CAPC3216X180N [mm] "Chip Capacitor, Body 3.2x1.6mm, IPC Medium Density"
  rect 1.15x1.8 smd: 1(-1.5,0) 2(1.5,0)
  silkscreen extent -0.55,-0.8 0.55,0.8, body extent -1.7,-0.9 1.7,0.9, height 1.8
DCDC_RECOM_RFM [mm] "RFM Series , Body 11.5 x 6.00mm, SIP-4 Package"
  round 1.8 hole 1.1: 1(-3.81,0) 2(-1.27,0) 3(1.27,0) 4(3.81,0)
  silkscreen extent -5.75,-2.05 5.75,4.75, body extent -5.75,-1.24 5.75,4.76, height 10.5
FIDUCIAL_TOP_C100-200 [mm] "Round Fiducial Target, Top Layer, 1.0mm, Top Solder 2.0mm, Keepout =2.0mm"
  round 1 smd paste-0.51 mask+0.5: FTG2(0,0)
  L1 keep-out circle w0.1: c0,0 r1
FIDUCIAL_TOP_S100-200 [mm] "Square Fiducial Target, Top Layer, 1.0mm, Top Solder 2.0mm, Keepout =2.0mm"
  rect 1x1 smd rot 45 paste-0.51 mask+0.5: 1(0,0)
  L1 keep-out region: 1.414,0 0,-1.414 -1.414,0 0,1.414
FIX&FASTEN-LEMB2-8V0-F [mm] "Right Angle Single Element 2.3x8mm Round Lightpipe"
  silkscreen extent 0,-1.15 8,1.15, body extent 0,-1.15 8,1.15, height 2.15
HARWIN_R25-1001002 [mm]
  silkscreen extent -2.89,-2.5 2.89,2.5, body extent -2.89,-2.5 2.89,2.5, height 10.01
IND_BOURNS_SRU8043 [mm] "SMD Inductor Body Width 8.3mm Body Lenght 8.3mm Height 4.6mm"
  rect 2x3.2 smd: 1(-3.9,0) 2(3.9,0)
  silkscreen extent -3.71,-4 3.71,4, body extent -4,-4 4,4, height 4.3
LED_KINGBRIGHT_KPH-1608CGCK [mm] "SMT Green LED, Case 0603, Body L 1.6 x W 0.8mm H 0.65mm"
  rect 0.8x0.8 smd: 1(-0.825,0) 2(0.825,0)
  silkscreen extent -1.83,-0.4 0.08,0.4, body extent -0.8,-0.4 0.8,0.4, height 0.65
MICROCHIP_H3QFN88-52LD-PL-3 [mm] "MICROCHIP_H3QFN88-52LD-PL-3, 0.50mm Pitch, Square, 52 Pin, 8mm L X 8mm W X 3mm H Body"
  rect 0.8x0.25 smd: 1(-3.8,3.5) 2(-3.8,3) 4(-3.8,2) 5(-3.8,1.5) 6(-3.8,1) 8(-3.8,0) 9(-3.8,-0.5) 10(-3.8,-1) 12(-3.8,-2) 13(-3.8,-2.5) 14(-3.8,-3) 15(-3.8,-3.5) 27(3.8,-3.5) 28(3.8,-3) 29(3.8,-2.5) 30(3.8,-2) 31(3.8,-1.5) 32(3.8,-1) 33(3.8,-0.5) 34(3.8,0) 35(3.8,0.5) 36(3.8,1) 37(3.8,1.5) 38(3.8,2) 39(3.8,2.5) 40(3.8,3) 41(3.8,3.5)
  rect 0.25x0.8 smd: 16(-2.5,-3.8) 17(-2,-3.8) 18(-1.5,-3.8) 19(-1,-3.8) 20(-0.5,-3.8) 21(0,-3.8) 23(1,-3.8) 24(1.5,-3.8) 25(2,-3.8) 26(2.5,-3.8) 42(2.5,3.8) 43(2,3.8) 44(1.5,3.8) 45(1,3.8) 47(0,3.8) 48(-0.5,3.8) 49(-1,3.8) 50(-1.5,3.8) 51(-2,3.8) 52(-2.5,3.8)
  rect 2.1x1.675 smd: 53(1.7,1.363)
  rect 2.1x1.15 smd: 54(1.7,-2.15)
  L1 lines w0.05: 1.7,0.525 1.7,0.525
  L1 keep-out region: -4.2,-1.625 -4.2,-1.375 -3.15,-1.375 -3.15,0.375 -4.2,0.375 -4.2,0.625 -3.15,0.625 -3.15,2.375 -4.2,2.375 -4.2,2.625 -3.15,2.625 -3.15,3.12 0.15,3.12 0.15,0.025 3.15,0.025 3.15,-1.075 0.15,-1.075 0.15,-3.12 -3.15,-3.12 -3.15,-1.625
  L1 keep-out region: 0.375,-4.2 0.625,-4.2 0.625,-3.12 0.375,-3.12
  L1 keep-out region: 0.375,3.12 0.625,3.12 0.625,4.2 0.375,4.2
  silkscreen extent -4.55,-4 4,4.52, body extent -4,-4 4,4, height 3
MTG270_500 [mm] "Plated Through Hole: Hole Dia.=2.7mm Pad Dia.=5.0mm"
  round 5 hole 2.7: 1(0,0)